# Altium PCB TIDA-010933-RevA.PcbDoc (part 6 of 9) (continued)
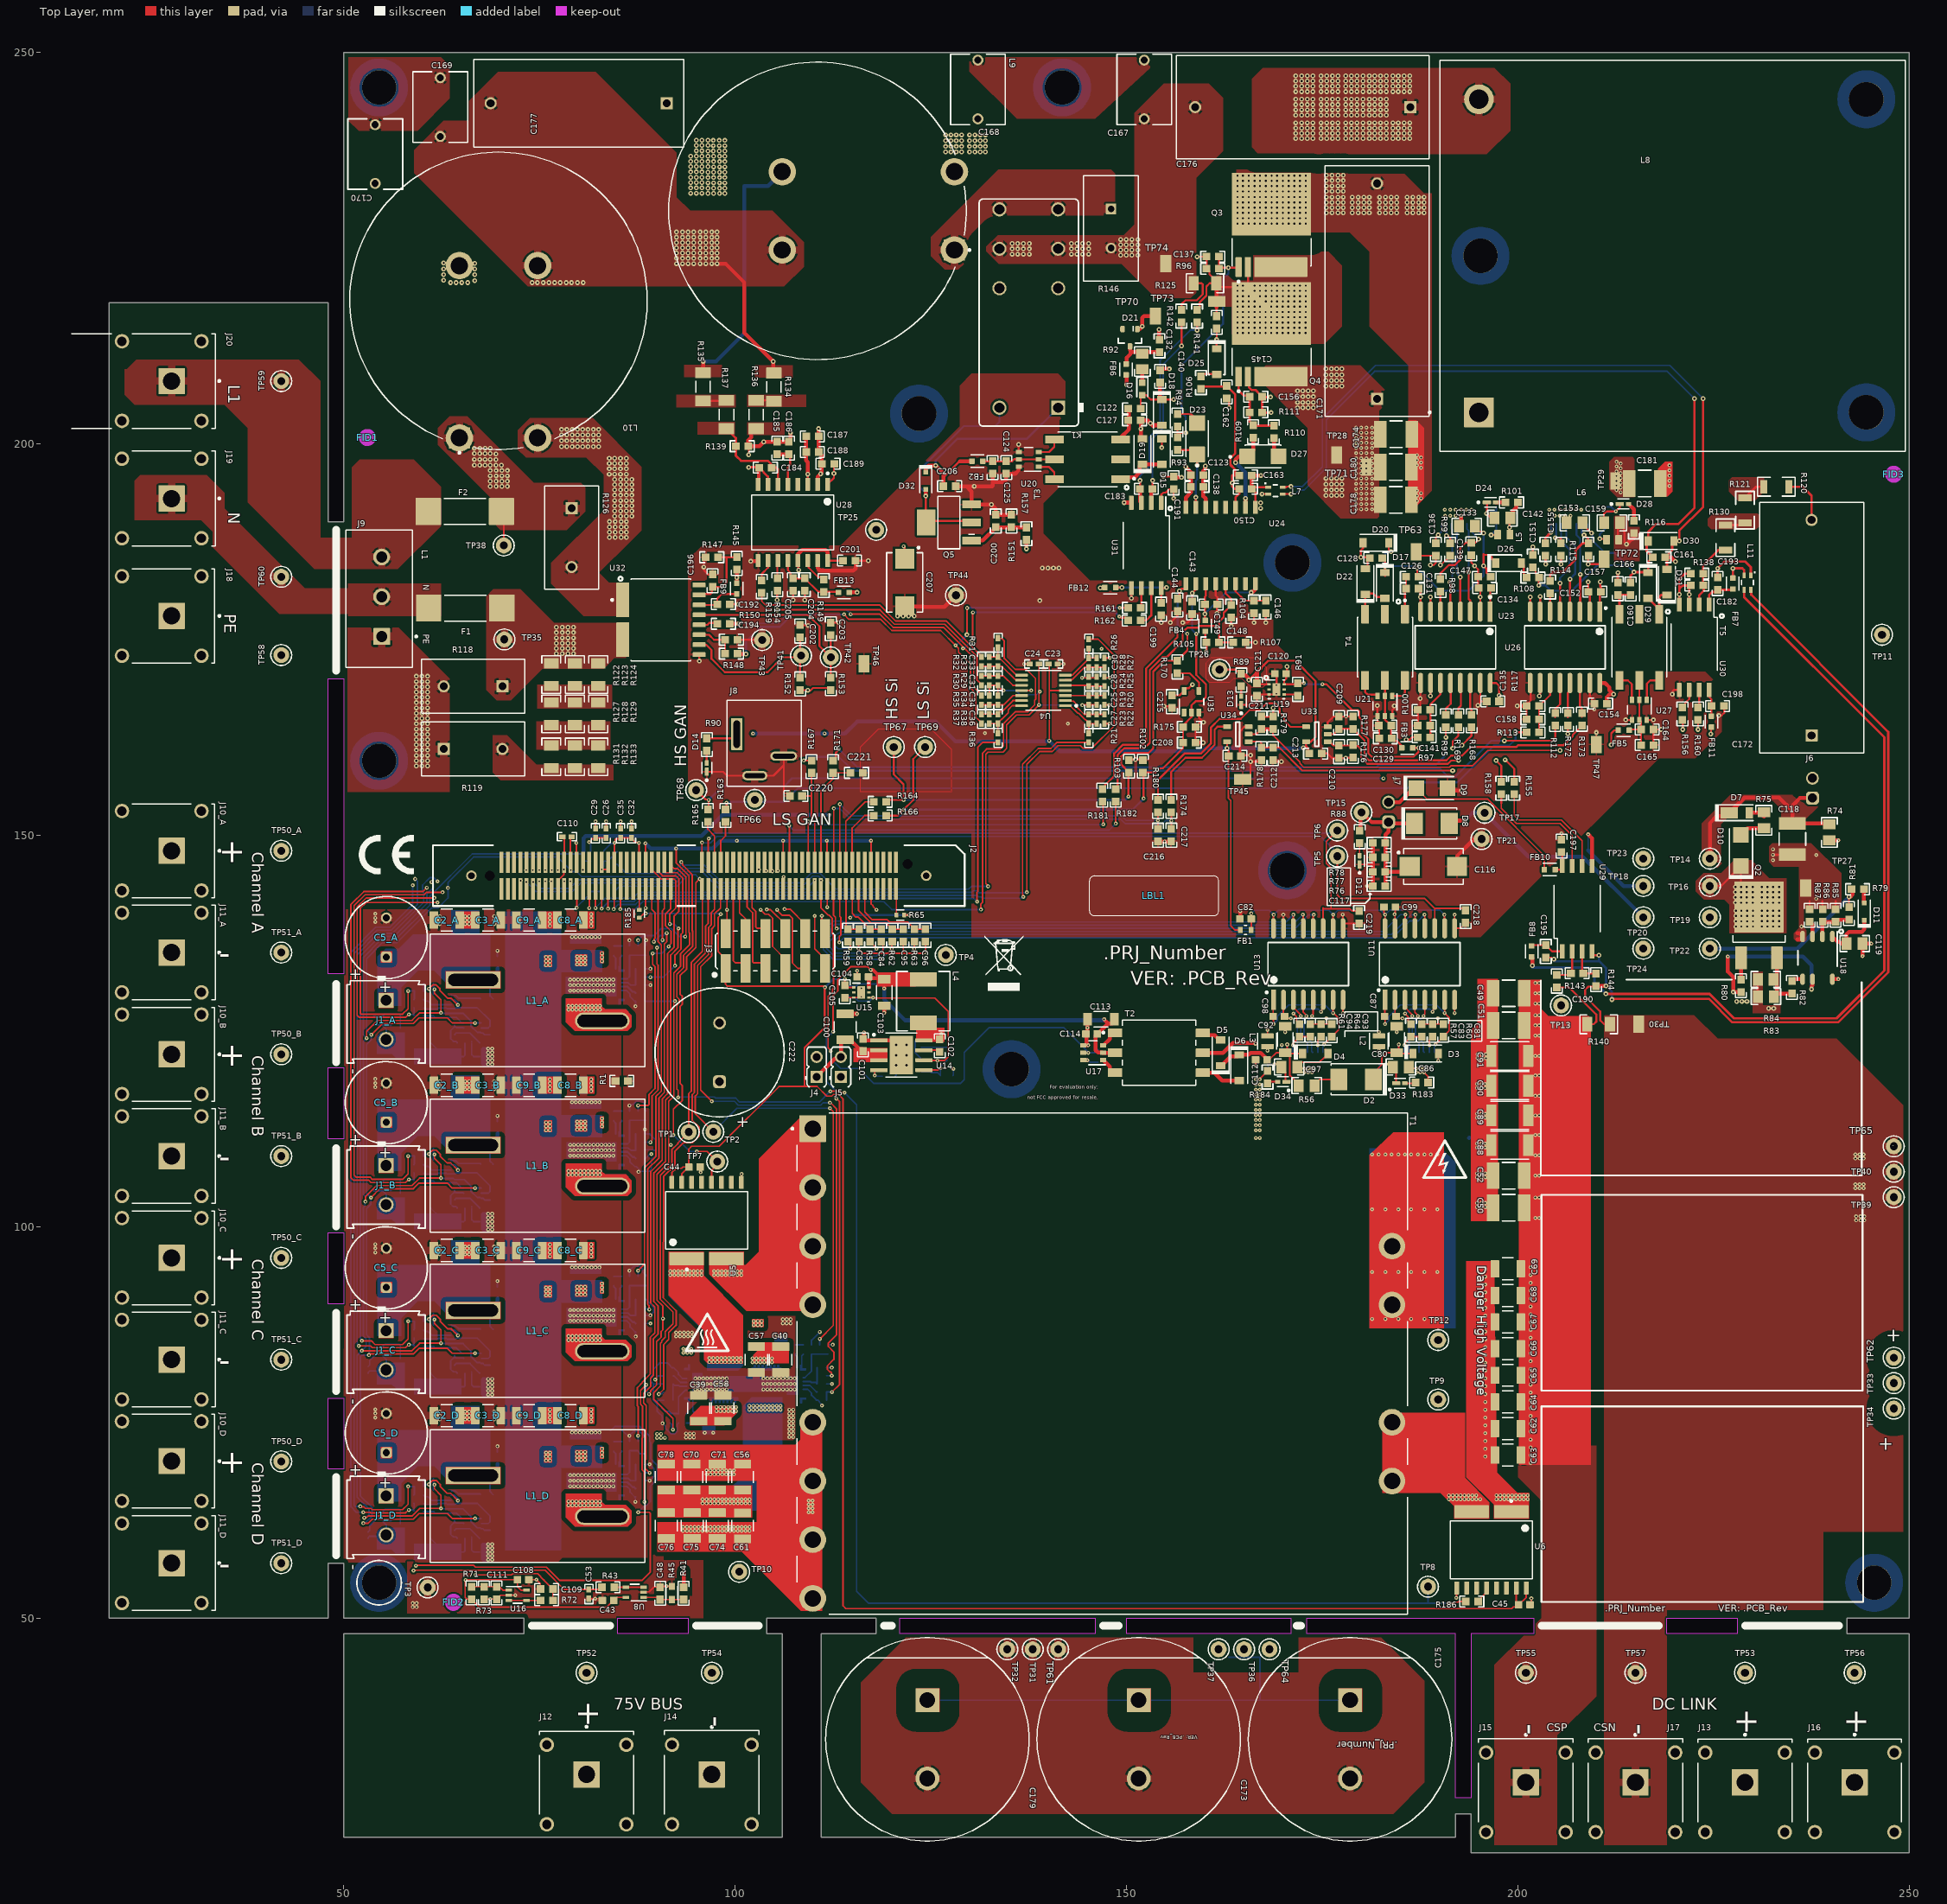
[diagram p0: Top Layer view]
## Nets (pads, with @x,y where several pads share a name; then routed paths per layer and width w, separated by ;. In a path a pad name is that pad's centre, name@x,y a point inside that pad or via, vN(x,y) a via of type N, cw(c..) or ccw(c..) an arc to the next point about the centre after c; other vN are vias at no path point) (continued)
NetC7_C_1: C7_C.1 D1_C.1 Q1_C.4 R5_C.1 R8_C.2 | length 7.5
  Bottom Layer w0.2: D1_C.1@53.1,82.1 53.3,82.3 53.3,82.899 54.601,84.2 54.625,84.2 55.025,84.6 R8_C.2@55.025,84.7 55.025,84.75 55.225,84.95 57.1,84.95 57.2,84.85 Q1_C.4@57.2,83.14
NetC7_C_2: C7_C.2 D1_C.2 J1_C.2 J11_C.1 Q1_C.1 Q1_C.2 Q1_C.3 R8_C.1 TP51_C.1 | length 9.8
  Bottom Layer w0.2: D1_C.2@53.1,81.25 53.1,81.35 53.3,81.55 55.25,81.55 J1_C.2@55.3,81.6 ; C7_C.2@56.05,83.5 R8_C.1@55.025,83.5 55.025,83.4 55.4,83.025 J1_C.2@55.4,81.7 56.65,81.7 56.665,81.715 57.045,81.715 57.2,81.87 57.2,80.6 Q1_C.1@57.2,79.33
NetC7_D_1: C7_D.1 D1_D.1 Q1_D.4 R5_D.1 R8_D.2 | length 7.5
  Bottom Layer w0.2: D1_D.1@53.1,61 53.3,61.2 53.3,61.799 54.601,63.1 54.625,63.1 55.025,63.5 R8_D.2@55.025,63.6 55.025,63.65 55.225,63.85 57.1,63.85 57.2,63.75 Q1_D.4@57.2,62.04
NetC7_D_2: C7_D.2 D1_D.2 J1_D.2 J11_D.1 Q1_D.1 Q1_D.2 Q1_D.3 R8_D.1 TP51_D.1 | length 9.8
  Bottom Layer w0.2: D1_D.2@53.1,60.15 53.1,60.25 53.3,60.45 55.25,60.45 J1_D.2@55.3,60.5 ; C7_D.2@56.05,62.4 R8_D.1@55.025,62.4 55.025,62.3 55.4,61.925 J1_D.2@55.4,60.6 56.65,60.6 56.665,60.615 57.045,60.615 57.2,60.77 57.2,59.5 Q1_D.1@57.2,58.23
NetC15_A_1: C15_A.1 R10_A.1 | length 1
  Bottom Layer w0.2: R10_A.1@84.486,135.841 C15_A.1@85.486,135.841
NetC15_A_2: C15_A.2 U1_A.11 | length 2
  Bottom Layer w0.2: U1_A.11@85.27,132.747 85.27,134.326 85.486,134.541 C15_A.2@85.486,134.641
NetC15_B_1: C15_B.1 R10_B.1 | length 1
  Bottom Layer w0.2: R10_B.1@84.486,114.741 C15_B.1@85.486,114.741
NetC15_B_2: C15_B.2 U1_B.11 | length 2
  Bottom Layer w0.2: U1_B.11@85.27,111.647 85.27,113.226 85.486,113.441 C15_B.2@85.486,113.541
NetC15_C_1: C15_C.1 R10_C.1 | length 1
  Bottom Layer w0.2: R10_C.1@84.486,93.641 C15_C.1@85.486,93.641
NetC15_C_2: C15_C.2 U1_C.11 | length 2
  Bottom Layer w0.2: U1_C.11@85.27,90.547 85.27,92.126 85.486,92.341 C15_C.2@85.486,92.441
NetC15_D_1: C15_D.1 R10_D.1 | length 1
  Bottom Layer w0.2: R10_D.1@84.486,72.541 C15_D.1@85.486,72.541
NetC15_D_2: C15_D.2 U1_D.11 | length 2
  Bottom Layer w0.2: U1_D.11@85.27,69.447 85.27,71.026 85.486,71.241 C15_D.2@85.486,71.341
NetC16_A_1: C16_A.1 R6_A.1 R11_A.2 U2_A.1 | length 4
  Bottom Layer w0.2: U2_A.1@63.7,129.625 63.8,129.525 64.275,129.525 64.65,129.15 C16_A.1@65.175,129.15 R11_A.2@66.225,129.15 67.4,129.15 R6_A.1@67.475,129.075
NetC16_B_1: C16_B.1 R6_B.1 R11_B.2 U2_B.1 | length 4
  Bottom Layer w0.2: U2_B.1@63.7,108.525 63.8,108.425 64.275,108.425 64.65,108.05 C16_B.1@65.175,108.05 R11_B.2@66.225,108.05 67.4,108.05 R6_B.1@67.475,107.975
NetC16_C_1: C16_C.1 R6_C.1 R11_C.2 U2_C.1 | length 4
  Bottom Layer w0.2: U2_C.1@63.7,87.425 63.8,87.325 64.275,87.325 64.65,86.95 C16_C.1@65.175,86.95 R11_C.2@66.225,86.95 67.4,86.95 R6_C.1@67.475,86.875
NetC16_D_1: C16_D.1 R6_D.1 R11_D.2 U2_D.1 | length 4
  Bottom Layer w0.2: U2_D.1@63.7,66.325 63.8,66.225 64.275,66.225 64.65,65.85 C16_D.1@65.175,65.85 R11_D.2@66.225,65.85 67.4,65.85 R6_D.1@67.475,65.775
NetC18_A_1: C18_A.1 R12_A.2 R13_A.2 U1_A.12 | length 6
  Bottom Layer w0.2: U1_A.12@85.495,131.647 86.22,131.647 86.511,131.937 C18_A.1@86.511,134.666 R12_A.2@87.561,134.666 R13_A.2@88.611,134.666
NetC18_B_1: C18_B.1 R12_B.2 R13_B.2 U1_B.12 | length 6
  Bottom Layer w0.2: U1_B.12@85.495,110.547 86.22,110.547 86.511,110.837 C18_B.1@86.511,113.566 R12_B.2@87.561,113.566 R13_B.2@88.611,113.566
NetC18_C_1: C18_C.1 R12_C.2 R13_C.2 U1_C.12 | length 6
  Bottom Layer w0.2: U1_C.12@85.495,89.447 86.22,89.447 86.511,89.737 C18_C.1@86.511,92.466 R12_C.2@87.561,92.466 R13_C.2@88.611,92.466
NetC18_D_1: C18_D.1 R12_D.2 R13_D.2 U1_D.12 | length 6.4
  Bottom Layer w0.2: U1_D.12@85.495,68.347 86.22,68.347 86.511,68.637 C18_D.1@86.511,71.366 R12_D.2@87.561,71.366 87.561,71.266 87.861,70.966 88.411,70.966 88.611,70.766 R13_D.2@88.611,70.666
NetC20_A_1: C20_A.1 R14_A.2 R15_A.2 U1_A.13 | length 4
  Bottom Layer w0.2: U1_A.13@85.495,131.147 86.321,131.147 86.628,130.841 C20_A.1@87.261,130.841 R15_A.2@87.261,132.916
NetC20_B_1: C20_B.1 R14_B.2 R15_B.2 U1_B.13 | length 4
  Bottom Layer w0.2: U1_B.13@85.495,110.047 86.321,110.047 86.628,109.741 C20_B.1@87.261,109.741 R15_B.2@87.261,111.816
NetC20_C_1: C20_C.1 R14_C.2 R15_C.2 U1_C.13 | length 4
  Bottom Layer w0.2: U1_C.13@85.495,88.947 86.321,88.947 86.628,88.641 C20_C.1@87.261,88.641 R15_C.2@87.261,90.716
NetC20_D_1: C20_D.1 R14_D.2 R15_D.2 U1_D.13 | length 4
  Bottom Layer w0.2: U1_D.13@85.495,67.847 86.321,67.847 86.628,67.541 C20_D.1@87.261,67.541 R15_D.2@87.261,69.616
NetC22_A_1: C22_A.1 R17_A.2 U3_A.4 | length 3.8
  Bottom Layer w0.2: C22_A.1@64.145,124.515 64.345,124.715 65.325,124.715 66.11,124.715 67.325,123.5 R17_A.2@67.325,123.45
NetC22_A_2: C22_A.2 R18_A.2 U3_A.5 | length 4.3
  Bottom Layer w0.2: C22_A.2@64.145,125.715 C22_A.2@64.145,125.615 ; R18_A.2@64.475,123.45 64.475,123.5 64.325,123.65 63.986,123.65 63.645,123.991 63.645,125.039 64.021,125.415 64.045,125.415 64.145,125.515 C22_A.2@64.145,125.615 ; U3_A.5@65.325,125.365 65.275,125.415 64.345,125.415 C22_A.2@64.145,125.615
NetC22_B_1: C22_B.1 R17_B.2 U3_B.4 | length 3.8
  Bottom Layer w0.2: C22_B.1@64.145,103.415 64.345,103.615 65.325,103.615 66.11,103.615 67.325,102.4 R17_B.2@67.325,102.35
NetC22_B_2: C22_B.2 R18_B.2 U3_B.5 | length 4.3
  Bottom Layer w0.2: C22_B.2@64.145,104.615 C22_B.2@64.145,104.515 ; R18_B.2@64.475,102.35 64.475,102.4 64.325,102.55 63.986,102.55 63.645,102.891 63.645,103.939 64.021,104.315 64.045,104.315 64.145,104.415 C22_B.2@64.145,104.515 ; U3_B.5@65.325,104.265 65.275,104.315 64.345,104.315 C22_B.2@64.145,104.515
NetC22_C_1: C22_C.1 R17_C.2 U3_C.4 | length 3.8
  Bottom Layer w0.2: C22_C.1@64.145,82.315 64.345,82.515 65.325,82.515 66.11,82.515 67.325,81.3 R17_C.2@67.325,81.25
NetC22_C_2: C22_C.2 R18_C.2 U3_C.5 | length 4.3
  Bottom Layer w0.2: C22_C.2@64.145,83.515 C22_C.2@64.145,83.415 ; R18_C.2@64.475,81.25 64.475,81.3 64.325,81.45 63.986,81.45 63.645,81.791 63.645,82.839 64.021,83.215 64.045,83.215 64.145,83.315 C22_C.2@64.145,83.415 ; U3_C.5@65.325,83.165 65.275,83.215 64.345,83.215 64.195,83.365 C22_C.2@64.145,83.415
NetC22_D_1: C22_D.1 R17_D.2 U3_D.4 | length 3.8
  Bottom Layer w0.2: C22_D.1@64.145,61.215 64.345,61.415 65.325,61.415 66.11,61.415 67.325,60.2 R17_D.2@67.325,60.15
NetC22_D_2: C22_D.2 R18_D.2 U3_D.5 | length 4.3
  Bottom Layer w0.2: C22_D.2@64.145,62.415 C22_D.2@64.145,62.315 ; R18_D.2@64.475,60.15 64.475,60.2 64.325,60.35 63.986,60.35 63.645,60.691 63.645,61.739 64.021,62.115 64.045,62.115 64.145,62.215 C22_D.2@64.145,62.315 ; U3_D.5@65.325,62.065 65.275,62.115 64.345,62.115 C22_D.2@64.145,62.315
NetC25_1: C25.1 R19.1 R20.2 U4.3 | length 5
  Top Layer w0.2: U4.3@142.164,167.834 R20.2@147.164,167.834
NetC27_1: C27.1 R21.1 R23.1 U4.1 | length 6.2
  Top Layer w0.2: U4.1@142.164,166.534 142.789,166.534 143.757,165.566 143.866,165.566 144.698,164.734 144.764,164.734 145.164,164.334 C27.1@145.164,164.234 ; R21.1@145.164,163.034 C27.1@145.164,164.234 ; R23.1@146.164,164.234 C27.1@145.164,164.234
NetC27_2: C27.2 R22.2 R23.2 U4.2 | length 5.9
  Top Layer w0.2: U4.2@142.164,167.184 142.239,167.109 143.191,167.109 143.6,166.7 143.6,166.398 144.564,165.434 C27.2@145.164,165.434 R23.2@146.164,165.434 R22.2@147.164,165.434
NetC28_2: C28.2 R24.1 R25.1 U4.5 | length 5
  Top Layer w0.2: U4.5@142.164,169.134 145.064,169.134 C28.2@145.164,169.034 R25.1@147.164,169.034
NetC30_1: C30.1 R27.1 R28.2 U4.6 | length 5.7
  Top Layer w0.2: U4.6@142.164,169.784 142.239,169.859 143.03,169.859 144.605,171.434 C30.1@145.164,171.434 R27.1@147.164,171.434
NetC30_2: C30.2 R26.1 R28.1 U4.7 | length 6.2
  Top Layer w0.2: U4.7@142.164,170.434 143.039,170.434 144.739,172.134 144.764,172.134 145.164,172.534 C30.2@145.164,172.634 ; R26.1@145.164,173.834 C30.2@145.164,172.634 ; R28.1@146.164,172.634 C30.2@145.164,172.634
NetC31_2: C31.2 R29.1 R30.1 U4.10 | length 5.6
  Top Layer w0.2: R30.1@131.464,170.334 R29.1@132.464,170.334 C31.2@133.564,170.334 134.266,170.334 135.466,169.134 U4.10@136.564,169.134
NetC33_1: C33.1 R32.1 R33.2 U4.9 | length 5.8
  Top Layer w0.2: R32.1@131.464,171.563 R33.2@132.464,171.563 C33.1@133.564,171.563 134.065,171.563 135.769,169.859 136.489,169.859 U4.9@136.564,169.784
NetC33_2: C33.2 R31.1 R33.1 U4.8 | length 6.3
  Top Layer w0.2: R33.1@132.464,172.763 C33.2@133.564,172.763 ; R31.1@133.564,173.963 C33.2@133.564,172.763 ; U4.8@136.564,170.434 135.939,170.434 133.91,172.463 133.764,172.463 133.564,172.663 C33.2@133.564,172.763
NetC34_1: C34.1 R34.2 R35.1 U4.12 | length 5.6
  Top Layer w0.2: R35.1@131.464,166.634 R34.2@132.464,166.634 C34.1@133.564,166.634 134.266,166.634 135.466,167.834 U4.12@136.564,167.834
NetC36_1: C36.1 R36.1 R38.2 U4.14 | length 6.5
  Top Layer w0.2: R38.2@132.464,164.255 C36.1@133.564,164.255 ; R36.1@133.564,163.034 C36.1@133.564,164.255 ; U4.14@136.564,166.534 135.382,166.534 134.874,166.026 134.874,165.641 133.988,164.755 133.964,164.755 133.564,164.355 C36.1@133.564,164.255
NetC36_2: C36.2 R37.2 R38.1 U4.13 | length 5.9
  Top Layer w0.2: R37.2@131.464,165.455 C36.2@133.564,165.455 133.564,165.555 133.764,165.755 134.037,165.755 135.466,167.184 U4.13@136.564,167.184
NetC47_1: C47.1 R44.1 | length 1.1
  Bottom Layer w0.2: C47.1@93.793,74.9 R44.1@94.843,74.9
NetC47_2: C47.2 U7.11 | length 2
  Bottom Layer w0.2: C47.2@93.793,76.1 93.993,76.3 93.993,77.936 94.04,77.983 U7.11@94.04,77.991
NetC48_1: C48.1 R41.1 R45.2 U8.1 | length 5.3
  Top Layer w0.2: U8.1@88.285,52.627 C48.1@90.629,52.627 ; C48.1@90.4,52.35 R45.2@91.9,52.35 R41.1@93.4,52.35
NetC54_1: C54.1 R46.2 R47.2 U7.12 | length 6.1
  Bottom Layer w0.2: R47.2@90.643,76.9 90.643,76.8 91.043,76.4 91.493,76.4 91.693,76.2 R46.2@91.693,76.1 C54.1@92.743,76.1 92.75,76.107 92.75,78.25 93.59,79.091 U7.12@93.815,79.091
NetC55_1: C55.1 R48.2 R49.2 U7.13 | length 4
  Bottom Layer w0.2: C55.1@92.043,79.9 C55.1@92.05,79.893 ; R49.2@92.05,77.822 C55.1@92.05,79.893 ; U7.13@93.815,79.591 92.912,79.591 92.803,79.7 92.243,79.7 C55.1@92.05,79.893
NetC56_1: C56.1 C61.1 C70.1 C71.1 C74.1 C75.1 C76.1 C78.1 T1.5 T1.6 T1.7 T1.8
  other v1: 93.325,61.125 93.825,61.125 94.325,61.125 94.825,61.125 95.325,61.125 95.825,61.125 96.325,61.125 96.825,61.125 97.325,61.125 97.825,61.125 98.325,61.125 98.825,61.125 99.325,61.125 99.825,61.125 100.325,61.125 100.825,61.125 101.325,61.125 101.825,61.125 93.325,61.625 93.825,61.625 94.325,61.625 94.825,61.625 95.325,61.625 95.825,61.625 96.325,61.625 96.825,61.625 97.325,61.625 97.825,61.625 98.325,61.625 98.825,61.625 99.325,61.625 99.825,61.625 100.325,61.625 100.825,61.625 101.325,61.625 101.825,61.625 109.375,63.5 109.875,63.5 109.375,64 109.875,64 109.375,64.5 109.875,64.5 109.375,65 109.875,65 96.325,68.35 96.825,68.35 97.325,68.35 97.825,68.35 98.325,68.35 98.825,68.35 99.325,68.35 99.825,68.35 96.325,68.85 96.825,68.85 97.325,68.85 97.825,68.85 98.325,68.85 98.825,68.85 99.325,68.85 99.825,68.85
NetC56_2: C56.2 C61.2 C70.2 C71.2 C74.2 C75.2 C76.2 C78.2 TP49.1 U9.5
  other v1: 95.825,64.65 96.325,64.65 96.825,64.65 97.325,64.65 97.825,64.65 98.325,64.65 98.825,64.65 99.325,64.65 99.825,64.65 100.325,64.65 100.825,64.65 101.325,64.65 101.825,64.65 95.825,65.15 96.325,65.15 96.825,65.15 97.325,65.15 97.825,65.15 98.325,65.15 98.825,65.15 99.325,65.15 99.825,65.15 100.325,65.15 100.825,65.15 101.325,65.15 101.825,65.15 101.793,76.6 102.293,76.6 102.793,76.6 103.293,76.6 103.793,76.6 104.293,76.6 104.793,76.6 105.293,76.6 105.793,76.6 101.793,77.1 102.293,77.1 102.793,77.1 103.293,77.1 103.793,77.1 104.293,77.1 104.793,77.1 105.293,77.1 105.793,77.1
NetC73_1: C73.1 R51.1 | length 1.1
  Bottom Layer w0.2: R51.1@107.65,84.9 C73.1@108.7,84.9
NetC73_2: C73.2 U9.11 | length 2
  Bottom Layer w0.2: U9.11@108.453,81.809 108.453,81.817 108.5,81.864 108.5,83.5 C73.2@108.7,83.7
NetC77_1: C77.1 R52.2 R53.2 U9.12 | length 5.7
  Bottom Layer w0.2: U9.12@108.678,80.709 108.903,80.709 109.743,81.55 109.743,83.693 C77.1@109.75,83.7 R52.2@110.8,83.7 R53.2@111.85,83.7
NetC79_1: C79.1 R54.2 R55.2 U9.13 | length 4
  Bottom Layer w0.2: U9.13@108.678,80.209 109.581,80.209 109.691,80.1 110.25,80.1 C79.1@110.443,79.907 ; R55.2@110.443,81.978 C79.1@110.443,79.907 ; C79.1@110.45,79.9 C79.1@110.443,79.907
NetC80_1: C80.1 D2.1 D3.1 U10.44 | length 9.6
  Top Layer w0.2: D2.1@181.011,119.092 182.6,120.681 182.6,121.591 183.21,122.201 C80.1@184.501,122.201 ; v1(184.761,123.26) 184.761,122.461 C80.1@184.501,122.201 ; D3.1@186.563,122.1 184.601,122.1 C80.1@184.501,122.201
  Bottom Layer w0.2: U10.44@184.761,122.25 v1(184.761,123.26)
NetC83_1: C83.1 R57.2 U10.45 | length 3.8
  Top Layer w0.2: v1(185.488,123.16) 185.545,123.218 185.545,123.469 R57.2@186.326,124.25 ; R57.2@186.326,124.275 186.351,124.25 C83.1@187.701,124.25
  Bottom Layer w0.2: U10.45@185.411,122.25 185.449,122.288 185.449,123.122 v1(185.488,123.16)
NetC86_1: C86.1 D33.1 U10.40 U10.41 | length 4.6
  Top Layer w0.2: v1(183.151,120.75) 183.635,120.75 C86.1@184.01,120.375 ; C86.1@184,120.2 184.43,119.77 D33.1@184.43,118.3
  Bottom Layer w0.2: U10.40@182.301,120.1 U10.41@182.301,120.75 v1(183.151,120.75)
NetC94_1: C94.1 R61.2 U12.45 | length 3.8
  Top Layer w0.2: v1(171.238,123.16) 171.295,123.218 171.295,123.469 R61.2@172.076,124.25 ; R61.2@172.076,124.275 172.101,124.25 C94.1@173.451,124.25
  Bottom Layer w0.2: U12.45@171.161,122.25 171.199,122.288 171.199,123.122 v1(171.238,123.16)
NetC97_1: C97.1 D34.1 U12.40 U12.41 | length 4
  Top Layer w0.2: v1(168.901,120.75) 169.55,120.75 C97.1@169.6,120.7 ; C97.1@169.9,120 169.97,120 170.295,119.675 170.295,118.62 D34.1@170.415,118.5
  Bottom Layer w0.2: U12.40@168.051,120.1 U12.41@168.051,120.75 v1(168.901,120.75)
NetC100_2: C100.2 C101.1 J4.1 J5.2 U14.2 U14.3 | length 9.7
  Top Layer w0.5: J4.1@110.4,119.13 112.739,121.469 113.299,121.469 J5.2@113.5,121.67 113.5,123.555 113.8,123.855 114.12,123.855 114.67,123.855 115.875,122.65 116.195,122.65 116.42,122.425 C101.1@116.42,122.4
NetC102_1: C102.1 U14.7 | length 1.8
  Top Layer w0.2: U14.7@124.095,122.535 C102.1@125.885,122.535
NetC102_2: C102.2 L4.1 R68.1 U14.8 | length 4
  Top Layer w0.2: U14.8@124.095,123.805 126.215,123.805 126.3,123.89 v1(126.3,124.6)
  Bottom Layer w0.2: R68.1@125.32,124.5 126.119,124.5 126.219,124.6 v1(126.3,124.6)
NetC106_2: C106.2 C107.1 R68.2 | length 3.3
  Bottom Layer w0.2: C106.2@123.77,122.9 R68.2@125.32,122.9 C107.1@127.1,122.9
NetC107_2: C107.2 R66.1 R69.2 U14.5 | length 7.2
  Top Layer w0.2: U14.5@124.095,119.995 124.097,119.998 125.886,119.998 126.139,120.25 v1(126.22,120.25)
  Bottom Layer w0.2: R66.1@123.77,119.775 124.932,119.775 125.032,119.675 125.845,119.675 R69.2@126.22,119.3 v1(126.22,120.25) 126.277,120.307 126.277,120.452 127.1,121.275 C107.2@127.1,121.3
NetC111_1: C111.1 R71.2 R73.1 U16.1 | length 5
  Top Layer w0.2: R71.2@66.3,54 69.85,54 70.3,53.55 U16.1@71.075,53.55
NetC118_1: C118.1 D7.1 J6.1 R74.2 TP14.1 | length 27.1
  Top Layer w0.5: TP14.1@224.5,147 224.5,151.513 225.426,152.44 226.584,152.44 D7.1@227,152.856 228.944,154.8 233.332,154.8 235.05,153.082 ; J6.1@237.615,154.73 236.004,154.73 235.05,153.776 235.05,153.082 ; R74.2@239.768,151.373 239.648,151.493 C118.1@235.05,151.493 235.05,153.082
NetC119_1: C119.1 D11.1 U18.1 | length 7.1
  Top Layer w0.5: U18.1@240.155,137.05 240.831,136.374 241.053,136.374 241.28,136.147 C119.1@241.991,136.147 241.991,137.366 242.284,137.659 243.953,137.659 244.246,137.951 D11.1@244.246,139.115
NetC122_2: C122.2 C127.1 T3.3 | length 4.4
  Top Layer w0.5: T3.3@149.238,200.54 149.238,200.772 150.282,201.817 150.282,204.418 C122.2@150.2,204.5
NetC124_1: C124.1 C125.1 FB2.1 T3.5 U20.2 U20.5 | length 9.2
  Top Layer w0.254: FB2.1@131.628,197.768 C124.1@132.876,197.768 C125.1@134.623,197.768 135.379,197.768 135.629,198.018 136.207,198.018 U20.5@136.225,198 U20.2@138.775,198 T3.5@140.763,198
NetC126_2: C126.2 C131.1 T4.1 | length 4.8
  Top Layer w0.254: T4.1@185.54,178.237 185.54,181.34 C131.1@185.7,181.5 C126.2@185.7,183
NetC129_1: C129.1 C130.1 FB3.1 T4.5 U21.2 U21.5 | length 9.7
  Top Layer w0.254: T4.5@183,169.762 U21.2@183,167.775 U21.5@183,165.225 183,164.745 183.216,164.529 183.271,164.529 C130.1@183.8,164 C129.1@183.8,162.371 ; C129.1@183.845,162.371 184.177,162.039 184.52,162.039 185.151,161.408 FB3.1@185.151,161.147
NetC137_1: C137.1 Q3.1 R93.1 R94.1 R96.2 | length 30.2
  Top Layer w0.254: R93.1@156.5,200.8 156.5,201.45 ; R94.1@156.5,202.2 156.5,201.45 ; v2(157.54,201.396) 156.554,201.396 156.5,201.45 ; R96.2@161.8,222.356 C137.1@161.8,223.9 ; R96.2@161.93,222.486 v2(163,222.486) 164.221,222.486 Q3.1@164.3,222.565
  Bottom Layer w0.254: v2(157.54,201.396) 157.54,203.46 157,204 157,210 162.3,215.3 162.3,221.04 163,221.74 v2(163,222.486)
NetC139_1: C139.1 R98.2 U22.45 | length 10.6
  Top Layer w0.254: R98.2@190.095,182.697 190.095,183.447 191.148,184.5 191.929,184.5 192.635,185.206 192.635,186.656 193.344,187.365 194.575,187.365 194.965,187.755 v2(194.965,187.831)
  Bottom Layer w0.2: U22.45@194.115,189.775 194.115,188.681 v2(194.965,187.831)
NetC141_1: C141.1 R97.2 R100.2 U23.11 | length 7.5
  Top Layer w0.254: R97.2@188.8,162.5 C141.1@188.8,164 R100.2@188.8,166 188.8,166.709 190.095,168.004 U23.11@190.095,169.434
NetC142_1: C142.1 D24.1 U22.40 U22.41 | length 4.8
  Top Layer w0.254: D24.1@196.014,192.504 196.03,192.488 196.03,191.159 v2(195.97,191.099) 196.57,190.5 C142.1@196.984,190.5
  Bottom Layer w0.254: v2(195.97,191.099) 196.246,191.375 197.125,191.375 U22.41@197.225,191.275 U22.40@197.225,191.925
NetC146_1: C146.1 R104.2 U24.6 | length 5.3
  Top Layer w0.254: U24.6@163.905,182.125 163.905,181.135 165.094,179.945 R104.2@166.265,179.945 C146.1@167.765,179.945
NetC149_1: C149.1 FB4.2 U24.3 U24.8 | length 13.3
  Top Layer w0.254: FB4.2@160.043,177.433 159.993,177.483 v2(159.993,178.249) C149.1@159.993,179.46 159.993,180.447 160.095,180.549 U24.3@160.095,182.125
  Top Layer w0.5: v2(165.895,181) 165.916,181.021 166.068,181.021 166.395,181.348 166.395,182.075 U24.8@166.445,182.125
  Bottom Layer w0.254: v2(159.993,178.249) 159.993,178.289 162.704,181 v2(165.895,181)
NetC156_1: C156.1 Q4.1 R109.1 R110.1 R111.2 | length 10
  Top Layer w0.3: Q4.1@164.3,208.565 164.3,206.8 164.95,206.15 165.55,206.15 C156.1@165.7,206 R111.2@165.7,204 165.7,202.806 R109.1@166.16,202.346 166.206,202.3 R110.1@168.812,202.3
NetC157_1: C157.1 R114.2 U25.45 | length 10.9
  Top Layer w0.254: v2(208.435,188.341) 208.48,188.341 208.946,187.876 208.946,187.354 C157.1@209,187.3
  Top Layer w0.305: R114.2@204.095,182.5 204.095,183.25 204.442,183.597 205.737,183.597 207.379,185.239 207.379,186.434 208.246,187.3 C157.1@209,187.3
  Bottom Layer w0.254: U25.45@208.115,189.775 208.115,188.661 v2(208.435,188.341)
NetC158_1: C158.1 R113.2 R117.2 U26.11 | length 7.1
  Top Layer w0.254: R113.2@202.697,162.878 C158.1@202.697,164.795 R117.2@202.697,166.5 204.095,167.898 U26.11@204.095,169.434
NetC159_1: C159.1 D28.1 U25.40 U25.41 | length 6.7
  Top Layer w0.254: C159.1@210.984,189.9 210.984,191.034 211.312,191.362 v1(212.487,191.362) 213.009,191.884 D28.1@213.009,192.305
  Bottom Layer w0.254: U25.41@211.225,191.275 211.88,191.275 211.967,191.362 v1(212.487,191.362) 211.925,191.925 U25.40@211.225,191.925
NetC160_2: C160.2 C166.1 T5.3 | length 4.1
  Top Layer w0.305: C166.1@212.75,180.67 C166.1@212.764,180.656 ; T5.3@212.96,178.237 212.96,180.46 C166.1@212.764,180.656 ; C160.2@214.375,180.656 C166.1@212.764,180.656
NetC164_1: C164.1 C165.1 FB5.1 T5.5 U27.2 U27.5 | length 9.8
  Top Layer w0.254: FB5.1@214.2,163.5 C164.1@215.7,163.5 ; T5.5@215.5,169.762 215.5,168.25 U27.2@215.5,167.275 U27.5@215.5,164.725 215.7,164.525 C164.1@215.7,163.5 ; C165.1@215.7,161.5 C164.1@215.7,163.5
NetC167_2: C167.2 C176.2 K1.6 K1.11 R125.2 R142.1 R146.2 TP74.1 | length 6.5
  Top Layer w0.254: R142.1@157,217.1 157,217.823 157.5,218.322 158.944,218.322 159.732,219.11 159.732,220.351 159.583,220.5 R125.2@158.55,220.5
  other v2: 149.238,224.073 149.935,224.073 150.672,224.073 151.42,224.073 135.376,224.212 136.074,224.212 136.811,224.212 137.558,224.212 142.952,224.212 143.65,224.212 144.387,224.212 145.134,224.212 149.238,224.747 149.935,224.747 150.672,224.747 151.42,224.747 135.376,224.887 136.074,224.887 136.811,224.887 137.558,224.887 142.952,224.887 143.65,224.887 144.387,224.887 145.134,224.887 149.238,225.421 149.935,225.421 150.672,225.421 151.42,225.421 135.376,225.561 136.074,225.561 136.811,225.561 137.558,225.561 142.952,225.561 143.65,225.561 144.387,225.561 145.134,225.561 149.238,226.095 149.935,226.095 150.672,226.095 151.42,226.095
NetC168_1: C168.1 C176.1 L8.2 L9.4 pad.6
  other v2: 126.879,237.273 127.553,237.273 128.227,237.273 128.902,237.273 129.929,237.273 130.603,237.273 131.277,237.273 131.951,237.273 126.879,237.971 127.553,237.971 128.227,237.971 128.902,237.971 129.929,237.971 130.603,237.971 131.277,237.971 131.951,237.971 126.879,238.708 127.553,238.708 128.227,238.708 128.902,238.708 129.929,238.708 130.603,238.708 131.277,238.708 131.951,238.708 171.605,238.977 172.352,238.977 173.089,238.977 173.787,238.977 174.818,238.977 175.565,238.977 176.302,238.977 177,238.977 178,238.977 178.698,238.977 179.435,238.977 180.182,238.977 181,238.977 181.698,238.977 182.435,238.977 183.182,238.977 184,238.977 184.698,238.977 185.435,238.977 186.182,238.977 126.879,239.455 127.553,239.455 128.227,239.455 128.902,239.455 129.929,239.455 130.603,239.455 131.277,239.455 131.951,239.455 171.605,239.652 172.352,239.652 173.089,239.652 173.787,239.652 174.818,239.652 175.565,239.652 176.302,239.652 177,239.652 178,239.652 178.698,239.652 179.435,239.652 180.182,239.652 181,239.652 181.698,239.652 182.435,239.652 183.182,239.652 184,239.652 184.698,239.652 185.435,239.652 186.182,239.652 171.605,240.326 172.352,240.326 173.089,240.326 173.787,240.326 174.818,240.326 175.565,240.326 176.302,240.326 177,240.326 178,240.326 178.698,240.326 179.435,240.326 180.182,240.326 181,240.326 181.698,240.326 182.435,240.326 183.182,240.326 184,240.326 184.698,240.326 185.435,240.326 186.182,240.326 171.605,241 172.352,241 173.089,241 173.787,241 174.818,241 175.565,241 176.302,241 177,241 178,241 178.698,241 179.435,241 180.182,241 181,241 181.698,241 182.435,241 183.182,241 184,241 184.698,241 185.435,241 186.182,241 171.605,241.974 172.352,241.974 173.089,241.974 173.787,241.974 174.818,241.974 175.565,241.974 176.302,241.974 177,241.974 178,241.974 178.698,241.974 179.435,241.974 180.182,241.974 181,241.974 181.698,241.974 182.435,241.974 183.182,241.974 171.605,242.648 172.352,242.648 173.089,242.648 173.787,242.648 174.818,242.648 175.565,242.648 176.302,242.648 177,242.648 178,242.648 178.698,242.648 179.435,242.648 180.182,242.648 181,242.648 181.698,242.648 182.435,242.648 183.182,242.648 171.605,243.322 172.352,243.322 173.089,243.322 173.787,243.322 174.818,243.322 175.565,243.322 176.302,243.322 177,243.322 178,243.322 178.698,243.322 179.435,243.322 180.182,243.322 181,243.322 181.698,243.322 182.435,243.322 183.182,243.322 171.605,243.996 172.352,243.996 173.089,243.996 173.787,243.996 174.818,243.996 175.565,243.996 176.302,243.996 177,243.996 178,243.996 178.698,243.996 179.435,243.996 180.182,243.996 181,243.996 181.698,243.996 182.435,243.996 183.182,243.996 171.605,244.977 172.352,244.977 173.089,244.977 173.787,244.977 174.818,244.977 175.565,244.977 176.302,244.977 177,244.977 178,244.977 178.698,244.977 179.435,244.977 180.182,244.977 181,244.977 181.698,244.977 182.435,244.977 183.182,244.977 184,244.977 184.698,244.977 185.435,244.977 186.182,244.977 171.605,245.652 172.352,245.652 173.089,245.652 173.787,245.652 174.818,245.652 175.565,245.652 176.302,245.652 177,245.652 178,245.652 178.698,245.652 179.435,245.652 180.182,245.652 181,245.652 181.698,245.652 182.435,245.652 183.182,245.652 184,245.652 184.698,245.652 185.435,245.652 186.182,245.652 171.605,246.326 172.352,246.326 173.089,246.326 173.787,246.326 174.818,246.326 175.565,246.326 176.302,246.326 177,246.326 178,246.326 178.698,246.326 179.435,246.326 180.182,246.326 181,246.326 181.698,246.326 182.435,246.326 183.182,246.326 184,246.326 184.698,246.326 185.435,246.326 186.182,246.326 171.605,247 172.352,247 173.089,247 173.787,247 174.818,247 175.565,247 176.302,247 177,247 178,247 178.698,247 179.435,247 180.182,247 181,247 181.698,247 182.435,247 183.182,247 184,247 184.698,247 185.435,247 186.182,247
NetC169_2: C169.2 C177.2 L9.2 L10.3 pad.5 pad.8 R134.2 | length 17.6
  Top Layer w0.5: v2(97.682,223.002) 98.751,223.002 101.175,220.578 101.175,214.156 v2(104.836,210.495) 104.836,209.12 R134.2@104.925,209.031
  other v2: 74.03,220.578 74.728,220.578 75.465,220.578 76.21,220.578 76.908,220.578 77.645,220.578 78.392,220.578 79.093,220.578 79.83,220.578 80.577,220.578 92.5,223.002 93.247,223.002 93.984,223.002 94.682,223.002 95.5,223.002 96.247,223.002 96.984,223.002 92.5,223.677 93.247,223.677 93.984,223.677 94.682,223.677 95.5,223.677 96.247,223.677 96.984,223.677 97.682,223.677 92.5,224.351 93.247,224.351 93.984,224.351 94.682,224.351 95.5,224.351 96.247,224.351 96.984,224.351 97.682,224.351 92.5,225.025 93.247,225.025 93.984,225.025 94.682,225.025 95.5,225.025 96.247,225.025 96.984,225.025 97.682,225.025 92.5,225.699 93.247,225.699 93.984,225.699 94.682,225.699 95.5,225.699 96.247,225.699 96.984,225.699 97.682,225.699 92.5,226.373 93.247,226.373 93.984,226.373 94.682,226.373 95.5,226.373 96.247,226.373 96.984,226.373 97.682,226.373 92.5,227.048 93.247,227.048 93.984,227.048 94.682,227.048 95.5,227.048 96.247,227.048 96.984,227.048 97.682,227.048
NetC170_1: C170.1 C177.1 L9.3 L10.2 pad.4 pad.9 R135.2 | length 31.9
  Top Layer w0.5: 95.875,209.781 95.887,209.794 v5(95.887,210.528)
  Bottom Layer w0.5: v5(95.887,210.528) 97.546,210.528 101.175,214.156 101.175,232.918 104.168,232.918 pad.4@106,234.75
  other v2: 63.632,220.578 64.33,220.578 65.067,220.578 65.815,220.578 66.727,220.838 62.752,220.895 62.752,221.593 66.727,221.585 62.752,222.33 66.727,222.322 66.727,223.02 62.752,223.077 96.5,231.977 97.247,231.977 97.984,231.977 98.682,231.977 94.318,232 95.016,232 95.753,232 94.318,232.674 95.016,232.674 95.753,232.674 96.5,232.652 97.247,232.652 97.984,232.652 98.682,232.652 96.5,233.326 97.247,233.326 97.984,233.326 98.682,233.326 94.318,233.348 95.016,233.348 95.753,233.348 94.318,234.023 95.016,234.023 95.753,234.023 96.5,234 97.247,234 97.984,234 98.682,234 96.5,234.696 97.247,234.696 97.984,234.696 98.682,234.696 94.318,234.718 95.016,234.718 95.753,234.718 94.318,235.392 95.016,235.392 95.753,235.392 96.5,235.392 97.247,235.371 97.984,235.371 98.682,235.371 96.5,236.045 97.247,236.045 97.984,236.045 98.682,236.045 94.318,236.066 95.016,236.066 95.753,236.066 94.318,236.74 95.016,236.74 95.753,236.74 96.5,236.74 97.247,236.719 97.984,236.719 98.682,236.719 96.5,237.393 97.198,237.393 97.935,237.393 98.682,237.393 95.016,237.414 95.753,237.414 97.198,238.067 97.935,238.067 98.682,238.067 95.016,238.089 95.753,238.089 96.5,238.089 97.198,238.742 97.935,238.742 98.682,238.742 95.016,238.763 95.753,238.763 96.5,238.763